# Altium PCB FMC_SINGLE_LPC_BREAKOUT_REVB.PcbDoc (part 1 of 2) (continued)
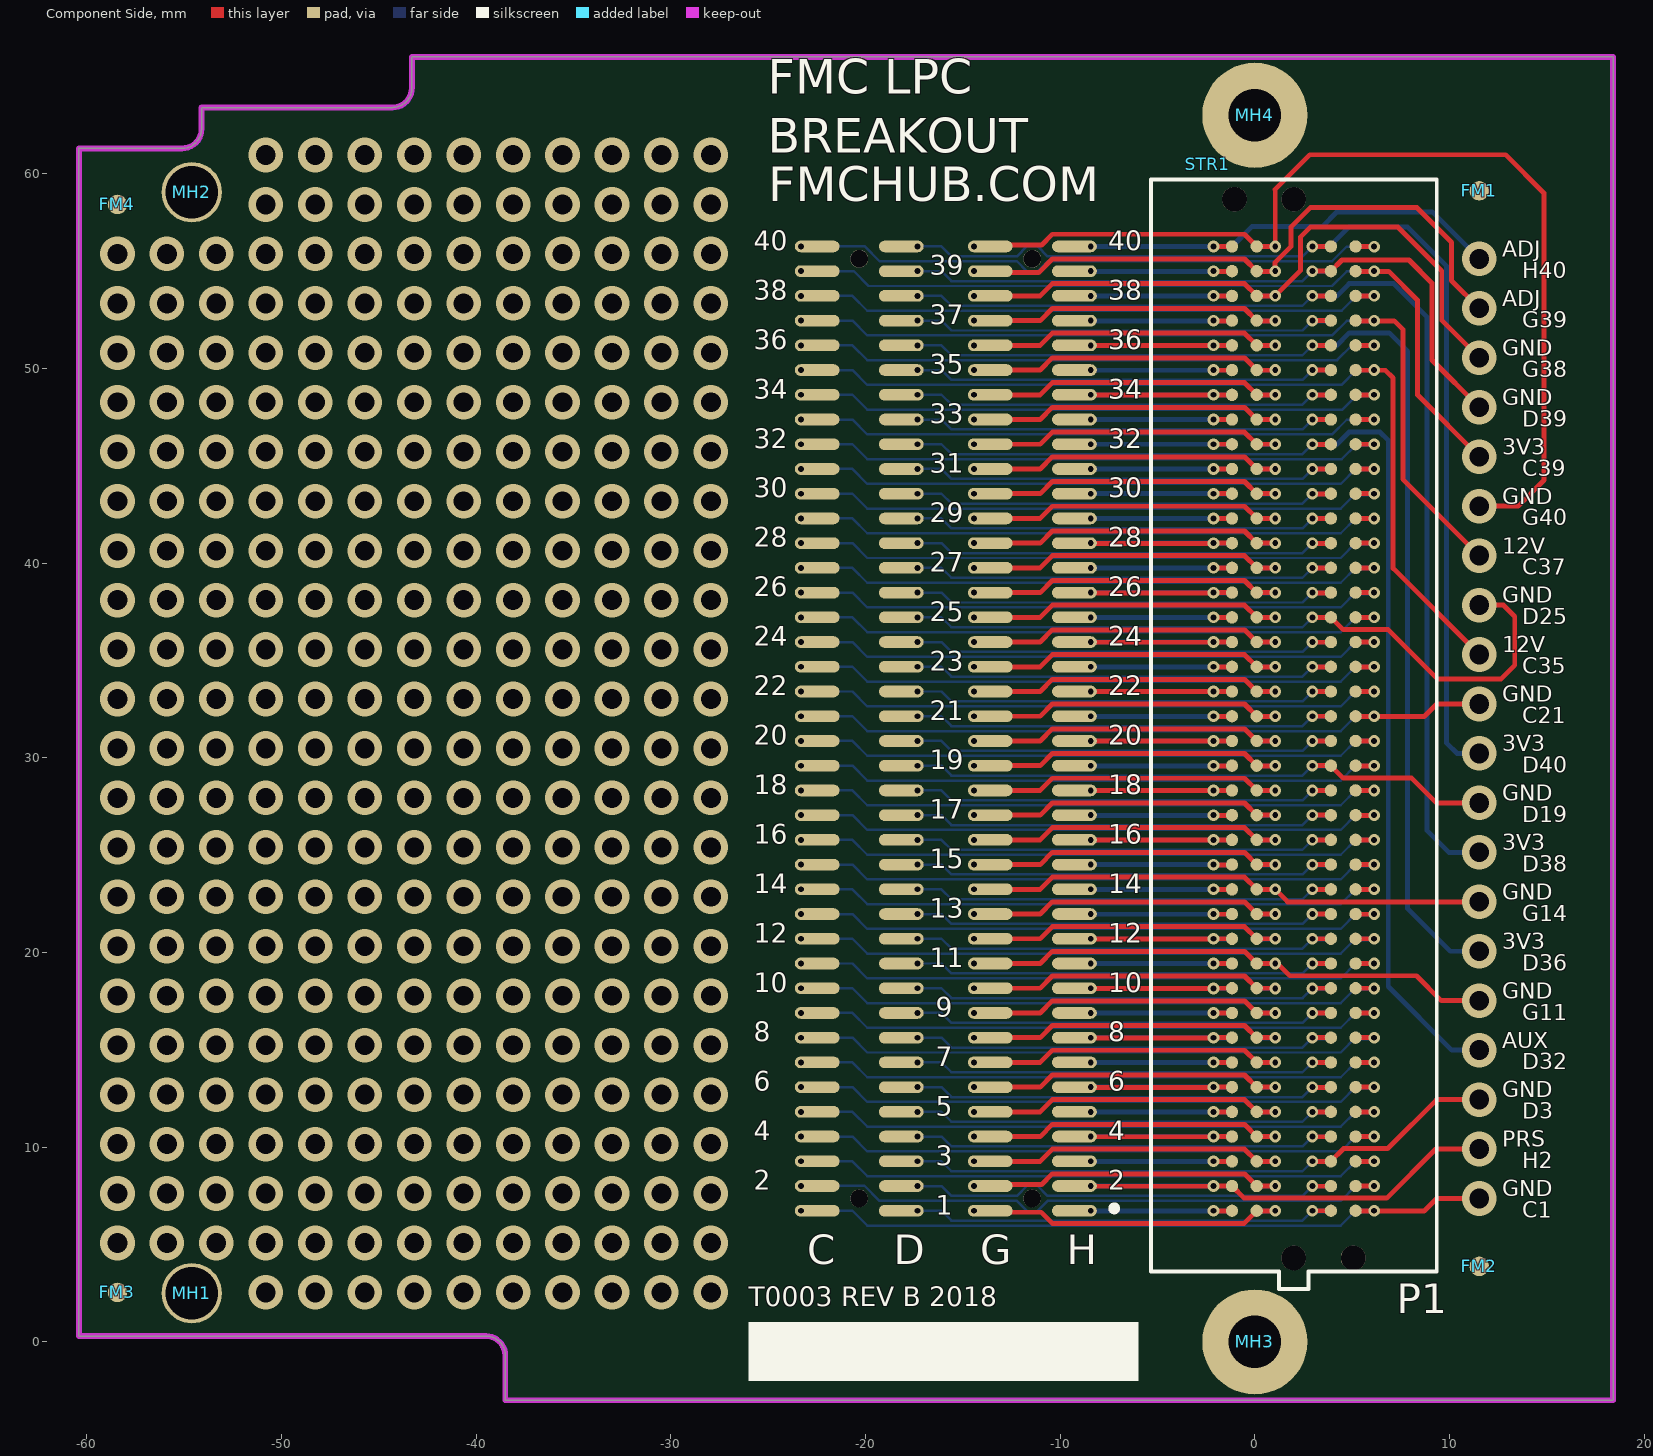
[diagram p0: Component Side view]
## Footprints (in the part's own frame and the unit in brackets; to place one, negate y for a bottom-side part, rotate by r counter-clockwise, add the part's x,y. Pads: shape width x height; smd on the part's side, far side on the other; paste and mask are expansions set on the pad) (continued)
"IAM LOGO - MEDIUM" [mm] "IAM ELECTRONIC LOGO - 14.00mm x 6.75mm"
"Mounting_Hole_Plated_2.7mm - d3.1mm" [mm] "Mounting Hole, hole 2.7mm, diameter 3.1mm, Keepout R 3.2mm, plated"
  round 3.1 hole 2.7 mask+0: 0(0,0)
Mounting_Hole_Plated_2.7mm-COVERED [mm] "Mounting Hole, hole 2.7mm, diameter 5.4mm, Keepout R 2.9mm, plated, covered with solder mask"
  round 5.4 hole 2.7 mask+0.2: 0(0,0)

## Part data
FM1 FM2 FM3 FM4 FM5 FM6 FM7 FM8: library part Fiducial_Mark, "Fiducial mark, width 1mm, clearance 3mm", Clearance="3 mm", Width="1 mm"
MH1 MH2 MH3 MH4: library part Mounting_Hole_2.7mm, "Mounting hole, hole size 2.7mm", Hole radius="2.7 mm"
P1: "MC-LPC-10, FMC Low-pin count connector, lead free, 160 I/Os, male, 10 mm mated stack height", Digi-Key Part Number=SAM8732-ND, Manufacturer=Samtec, Manufacturer Ref=SEAM-40-03.5-S-10-2-A-K-TR-VITA57, PartName=ASP-134604-01, Gender=male, Mated Stack Height="10 mm", Number I/O=160, Part=ASP-134604-01, Pin Count=Low, Pitch="1.27 mm", Solder Type=Lead-Free, Vita PartNumber=MC-LPC-10
P2: "CC-LPC-10, FMC Low-pin count connector, lead free, 160 I/Os, female, 10 mm mated stack height", Digi-Key Part Number=SAM8729-ND, Manufacturer=Samtec, Manufacturer Ref=SEAF-40-06.5-10-A, PartName=ASP-134603-01, Gender=female, Mated Stack Height="10 mm", Number I/O=160, Part=ASP-134603-01, Pin Count=Low, Pitch="1.27 mm", Solder Type=Lead-Free, Vita PartNumber=CC-LPC-10
P3 P4: library part FTS-140-X-DV, "1.27 MM 80 PIN VERTICAL MALE HEADER", Digi-Key Part Number=HDR127MET80M-G-V-SM-ND, Manufacturer="Chip Quik Inc.", Manufacturer_NOSTOCK=Samtec, Part=HDR127MET80M-G-V-SM, Part_NOSTOCK=FTS-140-01-L-DV-A, Pitch="1.27 mm"
STR1: library part IAM_LOGO, "I A M E L E C T R O N I C - Logo", Manufacturer="IAM ELECTRONIC", Layer="Top Overlay", Part=Logo

## Via types
v1: diameter 1.778, hole 1.016, Component Side to Bottom Layer, 323 vias
v2: diameter 0.6, hole 0.3, Component Side to Bottom Layer, tented both sides, 160 vias

## Nets (pads, with @x,y where several pads share a name; then routed paths per layer and width w, separated by ;. In a path a pad name is that pad's centre, name@x,y a point inside that pad or via, vN(x,y) a via of type N, cw(c..) or ccw(c..) an arc to the next point about the centre after c; other vN are vias at no path point)
C1: P1.C1 P2.C1 P3.1 | length 36.6
  Component Side w0.254: P1.C1@5.185,6.725 6.105,6.725 8.695,6.725 9.335,7.365 v1(11.525,7.365)
  Bottom Layer w0.127: P3.1@-23.32,6.735 -20.67,6.735 -19.908,5.973 4.413,5.973 P2.C1@5.175,6.735
  Bottom Layer w0.254: P2.C1@5.195,6.725 v2@6.105,6.725
  other v2: 6.127,6.735
C2: P1.C2 P2.C2 P3.3 | length 31.4
  Component Side w0.254: P1.C2@5.175,8.005 v2@6.095,8.005
  Bottom Layer w0.127: P3.3@-23.32,8.005 -23.307,8.018 -20.052,8.018 -19.277,7.243 -12.219,7.243 -11.698,6.722 -11.162,6.722 -10.641,7.243 4.413,7.243 P2.C2@5.175,8.005
  Bottom Layer w0.254: P2.C2@5.185,7.995 v2@6.105,7.995
  other v2: 6.127,8.005
C3: P1.C3 P2.C3 P3.5 | length 30.9
  Component Side w0.254: P1.C3@5.185,9.265 v2@6.105,9.265
  Bottom Layer w0.127: P3.5@-23.32,9.275 -20.67,9.275 -19.908,8.513 -2.313,8.513 4.413,8.513 P2.C3@5.175,9.275
  Bottom Layer w0.254: P2.C3@5.24,9.265 v2@6.105,9.265
  other v2: 6.127,9.275
C4: P1.C4 P2.C4 P3.7 | length 31
  Component Side w0.254: P1.C4@5.175,10.545 v2@6.095,10.545
  Bottom Layer w0.127: P3.7@-23.32,10.545 -20.67,10.545 -19.908,9.783 2.767,9.783 4.413,9.783 P2.C4@5.175,10.545
  Bottom Layer w0.254: P2.C4@5.195,10.535 v2@6.105,10.535
  other v2: 6.127,10.545
C5: P1.C5 P2.C5 P3.9 | length 30.9
  Component Side w0.254: P1.C5@5.185,11.805 v2@6.105,11.805
  Bottom Layer w0.127: P3.9@-23.32,11.815 -20.67,11.815 -19.908,11.053 -5.938,11.053 0.403,11.053 2.767,11.053 4.413,11.053 P2.C5@5.175,11.815
  Bottom Layer w0.254: P2.C5@5.25,11.805 v2@6.105,11.805
  other v2: 6.127,11.815
C6: P1.C6 P2.C6 P3.11 | length 31
  Component Side w0.254: P1.C6@5.175,13.085 v2@6.095,13.085
  Bottom Layer w0.127: P3.11@-23.32,13.085 -20.67,13.085 -19.908,12.323 -5.938,12.323 -0.721,12.323 -0.115,12.323 1.2,12.323 3.695,12.323 4.413,12.323 P2.C6@5.175,13.085
  Bottom Layer w0.254: P2.C6@5.17,13.075 v2@6.105,13.075
  other v2: 6.127,13.085
C7: P1.C7 P2.C7 P3.13 | length 30.9
  Component Side w0.254: P1.C7@5.185,14.345 v2@6.105,14.345
  Bottom Layer w0.127: P3.13@-23.32,14.355 -20.67,14.355 -19.908,13.593 4.413,13.593 P2.C7@5.175,14.355
  Bottom Layer w0.254: P2.C7@5.215,14.345 v2@6.105,14.345
  other v2: 6.127,14.355
C8: P1.C8 P2.C8 P3.15 | length 30.9
  Component Side w0.254: P1.C8@5.175,15.625 v2@6.095,15.625
  Bottom Layer w0.127: P3.15@-23.32,15.625 -20.67,15.625 -19.908,14.863 -1.385,14.863 -0.803,14.863 -0.115,14.863 0.467,14.863 3.695,14.863 4.413,14.863 P2.C8@5.175,15.625
  Bottom Layer w0.254: P2.C8@5.215,15.615 v2@6.105,15.615
  other v2: 6.127,15.625
C9: P1.C9 P2.C9 P3.17 | length 31
  Component Side w0.254: P1.C9@5.185,16.885 v2@6.105,16.885
  Bottom Layer w0.127: P3.17@-23.32,16.895 -20.67,16.895 -19.908,16.133 -1.385,16.133 -0.764,16.133 -0.115,16.133 1.157,16.133 3.695,16.133 4.413,16.133 P2.C9@5.175,16.895
  Bottom Layer w0.254: P2.C9@5.18,16.885 v2@6.105,16.885
  other v2: 6.127,16.895
C10: P1.C10 P2.C10 P3.19 | length 30.9
  Component Side w0.254: P1.C10@5.175,18.165 v2@6.095,18.165
  Bottom Layer w0.127: P3.19@-23.32,18.165 -20.67,18.165 -19.908,17.403 -5.938,17.403 4.413,17.403 P2.C10@5.175,18.165
  Bottom Layer w0.254: P2.C10@5.25,18.155 v2@6.105,18.155
  other v2: 6.127,18.155
C11: P1.C11 P2.C11 P3.21 | length 31
  Component Side w0.254: P1.C11@5.185,19.425 v2@6.105,19.425
  Bottom Layer w0.127: P3.21@-23.32,19.435 -20.67,19.435 -19.908,18.673 -5.938,18.673 4.413,18.673 P2.C11@5.175,19.435
  Bottom Layer w0.254: P2.C11@5.175,19.435 v2@6.095,19.435
  other v2: 6.127,19.435
C12: P1.C12 P2.C12 P3.23 | length 31
  Component Side w0.254: P1.C12@5.175,20.705 v2@6.095,20.705
  Bottom Layer w0.127: P3.23@-23.32,20.705 -20.67,20.705 -19.908,19.943 4.413,19.943 P2.C12@5.175,20.705
  Bottom Layer w0.254: P2.C12@5.19,20.695 v2@6.105,20.695
  other v2: 6.127,20.705
C13: P1.C13 P2.C13 P3.25 | length 30.9
  Component Side w0.254: P1.C13@5.185,21.965 v2@6.105,21.965
  Bottom Layer w0.127: P3.25@-23.32,21.975 -20.67,21.975 -19.908,21.213 -5.938,21.213 4.413,21.213 P2.C13@5.175,21.975
  Bottom Layer w0.254: P2.C13@5.215,21.965 v2@6.105,21.965
  other v2: 6.127,21.975
C14: P1.C14 P2.C14 P3.27 | length 31
  Component Side w0.254: P1.C14@5.175,23.245 v2@6.095,23.245
  Bottom Layer w0.127: P3.27@-23.32,23.245 -20.67,23.245 -19.908,22.483 -1.385,22.483 -0.711,22.483 -0.115,22.483 1.21,22.483 3.695,22.483 4.413,22.483 P2.C14@5.175,23.245
  Bottom Layer w0.254: P2.C14@5.195,23.235 v2@6.105,23.235
  other v2: 6.127,23.245
C15: P1.C15 P2.C15 P3.29 | length 31
  Component Side w0.254: P1.C15@5.175,24.515 v2@6.095,24.515
  Bottom Layer w0.127: P3.29@-23.32,24.515 -20.67,24.515 -19.908,23.753 4.413,23.753 P2.C15@5.175,24.515
  Bottom Layer w0.254: P2.C15@5.175,24.505 v2@6.105,24.505
  other v2: 6.127,24.515
C16: P1.C16 P2.C16 P3.31 | length 31
  Component Side w0.254: P1.C16@5.175,25.785 v2@6.095,25.785
  Bottom Layer w0.127: P3.31@-23.32,25.785 -20.67,25.785 -19.908,25.023 -1.385,25.023 -0.711,25.023 -0.115,25.023 0.323,25.023 4.413,25.023 P2.C16@5.175,25.785
  Bottom Layer w0.254: P2.C16@5.17,25.775 v2@6.105,25.775
  other v2: 6.127,25.785
C17: P1.C17 P2.C17 P3.33 | length 31
  Component Side w0.254: P1.C17@5.185,27.045 v2@6.105,27.045
  Bottom Layer w0.127: P3.33@-23.32,27.055 -20.67,27.055 -19.908,26.293 2.767,26.293 4.413,26.293 P2.C17@5.175,27.055
  Bottom Layer w0.254: P2.C17@5.14,27.045 v2@6.105,27.045
  other v2: 6.127,27.055
C18: P1.C18 P2.C18 P3.35 | length 31
  Component Side w0.254: P1.C18@5.175,28.325 v2@6.095,28.325
  Bottom Layer w0.127: P3.35@-23.32,28.325 -20.67,28.325 -19.908,27.563 -5.938,27.563 -0.667,27.563 -0.115,27.563 0.738,27.563 3.695,27.563 4.413,27.563 P2.C18@5.175,28.325
  Bottom Layer w0.254: P2.C18@5.19,28.315 v2@6.105,28.315
  other v2: 6.127,28.325
C19: P1.C19 P2.C19 P3.37 | length 31
  Component Side w0.254: P1.C19@5.185,29.585 v2@6.105,29.585
  Bottom Layer w0.127: P3.37@-23.32,29.595 -20.67,29.595 -19.908,28.833 -5.938,28.833 -0.848,28.833 -0.115,28.833 0.323,28.833 2.767,28.833 4.413,28.833 P2.C19@5.175,29.595
  Bottom Layer w0.254: P2.C19@5.18,29.585 v2@6.105,29.585
  other v2: 6.127,29.595
C20: P1.C20 P2.C20 P3.39 | length 31
  Component Side w0.254: P1.C20@5.175,30.865 v2@6.095,30.865
  Bottom Layer w0.127: P3.39@-23.32,30.865 -20.67,30.865 -19.908,30.103 -1.385,30.103 4.413,30.103 P2.C20@5.175,30.865
  Bottom Layer w0.254: P2.C20@5.125,30.855 v2@6.105,30.855
  other v2: 6.127,30.865
C21: P1.C21 P2.C21 P3.41 | length 36.7
  Component Side w0.254: P1.C21@5.185,32.125 6.105,32.125 8.695,32.125 9.335,32.765 v1(11.525,32.765)
  Bottom Layer w0.127: P3.41@-23.32,32.135 -20.67,32.135 -19.908,31.373 -1.385,31.373 -0.803,31.373 -0.115,31.373 0.467,31.373 3.695,31.373 4.413,31.373 P2.C21@5.175,32.135
  Bottom Layer w0.254: P2.C21@5.145,32.125 v2@6.105,32.125
  other v2: 6.127,32.135
C22: P1.C22 P2.C22 P3.43 | length 31
  Component Side w0.254: P1.C22@5.175,33.405 v2@6.095,33.405
  Bottom Layer w0.127: P3.43@-23.32,33.405 -20.67,33.405 -19.908,32.643 -1.385,32.643 -0.803,32.643 -0.115,32.643 0.467,32.643 3.695,32.643 4.413,32.643 P2.C22@5.175,33.405
  Bottom Layer w0.254: P2.C22@5.165,33.395 v2@6.105,33.395
  other v2: 6.127,33.405
C23: P1.C23 P2.C23 P3.45 | length 31
  Component Side w0.254: P1.C23@5.185,34.665 v2@6.105,34.665
  Bottom Layer w0.127: P3.45@-23.32,34.675 -20.67,34.675 -19.908,33.913 -5.938,33.913 4.413,33.913 P2.C23@5.175,34.675
  Bottom Layer w0.254: P2.C23@5.165,34.665 v2@6.105,34.665
  other v2: 6.127,34.675
C24: P1.C24 P2.C24 P3.47 | length 31
  Component Side w0.254: P1.C24@5.175,35.945 v2@6.095,35.945
  Bottom Layer w0.127: P3.47@-23.32,35.945 -20.67,35.945 -19.908,35.183 4.413,35.183 P2.C24@5.175,35.945
  Bottom Layer w0.254: P2.C24@5.195,35.935 v2@6.105,35.935
  other v2: 6.127,35.945
C25: P1.C25 P2.C25 P3.49 | length 30.9
  Component Side w0.254: P1.C25@5.185,37.205 v2@6.105,37.205
  Bottom Layer w0.127: P3.49@-23.32,37.215 -20.67,37.215 -19.908,36.453 -5.938,36.453 4.413,36.453 P2.C25@5.175,37.215
  Bottom Layer w0.254: P2.C25@5.225,37.205 v2@6.105,37.205
  other v2: 6.127,37.215
C26: P1.C26 P2.C26 P3.51 | length 31
  Component Side w0.254: P1.C26@5.175,38.485 v2@6.095,38.485
  Bottom Layer w0.127: P3.51@-23.32,38.485 -20.67,38.485 -19.908,37.723 -5.938,37.723 1.21,37.723 2.767,37.723 4.413,37.723 P2.C26@5.175,38.485
  Bottom Layer w0.254: P2.C26@5.18,38.475 v2@6.105,38.475
  other v2: 6.127,38.485
C27: P1.C27 P2.C27 P3.53 | length 30.9
  Component Side w0.254: P1.C27@5.185,39.745 v2@6.105,39.745
  Bottom Layer w0.127: P3.53@-23.32,39.755 -20.67,39.755 -19.908,38.993 4.413,38.993 P2.C27@5.175,39.755
  Bottom Layer w0.254: P2.C27@5.21,39.745 v2@6.105,39.745
  other v2: 6.127,39.755
C28: P1.C28 P2.C28 P3.55 | length 31
  Component Side w0.254: P1.C28@5.175,41.025 v2@6.095,41.025
  Bottom Layer w0.127: P3.55@-23.32,41.025 -20.67,41.025 -19.908,40.263 -1.385,40.263 -0.784,40.263 -0.115,40.263 0.486,40.263 3.695,40.263 4.413,40.263 P2.C28@5.175,41.025
  Bottom Layer w0.254: P2.C28@5.185,41.015 v2@6.105,41.015
  other v2: 6.127,41.025
C29: P1.C29 P2.C29 P3.57 | length 30.9
  Component Side w0.254: P1.C29@5.185,42.285 v2@6.105,42.285
  Bottom Layer w0.127: P3.57@-23.32,42.295 -20.67,42.295 -19.908,41.533 -1.385,41.533 -0.711,41.533 -0.115,41.533 1.21,41.533 3.695,41.533 4.413,41.533 P2.C29@5.175,42.295
  Bottom Layer w0.254: P2.C29@5.22,42.285 v2@6.105,42.285
  other v2: 6.127,42.295
C30: P1.C30 P2.C30 P3.59 | length 31
  Component Side w0.254: P1.C30@5.175,43.565 v2@6.095,43.565
  Bottom Layer w0.127: P3.59@-23.32,43.565 -20.67,43.565 -19.908,42.803 4.413,42.803 P2.C30@5.175,43.565
  Bottom Layer w0.254: P2.C30@5.15,43.555 v2@6.105,43.555
  other v2: 6.127,43.565
C31: P1.C31 P2.C31 P3.61 | length 31
  Component Side w0.254: P1.C31@5.185,44.825 v2@6.105,44.825
  Bottom Layer w0.127: P3.61@-23.32,44.835 -20.67,44.835 -19.908,44.073 4.413,44.073 P2.C31@5.175,44.835
  Bottom Layer w0.254: P2.C31@5.17,44.825 v2@6.105,44.825
  other v2: 6.127,44.835
C32: P1.C32 P2.C32 P3.63 | length 31
  Component Side w0.254: P1.C32@5.175,46.105 v2@6.095,46.105
  Bottom Layer w0.127: P3.63@-23.32,46.105 -20.67,46.105 -19.908,45.343 4.463,45.343 P2.C32@5.215,46.095
  Bottom Layer w0.254: P2.C32@5.215,46.095 v2@6.105,46.095
  other v2: 6.127,46.105
C33: P1.C33 P2.C33 P3.65 | length 31
  Component Side w0.254: P1.C33@5.185,47.365 v2@6.105,47.365
  Bottom Layer w0.127: P3.65@-23.32,47.375 -20.67,47.375 -19.908,46.613 3.968,46.613 4.721,47.365 P2.C33@5.24,47.365
  Bottom Layer w0.254: P2.C33@5.24,47.365 v2@6.105,47.365
  other v2: 6.127,47.375
C34: P1.C34 P2.C34 P3.67 | length 31
  Component Side w0.254: P1.C34@5.175,48.645 v2@6.095,48.645
  Bottom Layer w0.127: P3.67@-23.32,48.645 -20.67,48.645 -19.908,47.883 4.493,47.883 P2.C34@5.245,48.635
  Bottom Layer w0.254: P2.C34@5.245,48.635 v2@6.105,48.635
  other v2: 6.127,48.645
C35: P1.C35 P2.C35 P3.69 | length 48.2
  Component Side w0.254: P1.C35@5.185,49.905 6.105,49.905 6.7,49.905 7.1,49.505 7.1,39.73 v1(11.525,35.305)
  Bottom Layer w0.127: P3.69@-23.32,49.915 -20.67,49.915 -19.908,49.153 4.448,49.153 P2.C35@5.2,49.905
  Bottom Layer w0.254: P2.C35@5.2,49.905 v2@6.105,49.905
  other v2: 6.127,49.915
C36: P1.C36 P2.C36 P3.71 | length 31
  Component Side w0.254: P1.C36@5.175,51.185 v2@6.095,51.185
  Bottom Layer w0.127: P3.71@-23.32,51.185 -20.67,51.185 -19.908,50.423 4.222,50.423 4.975,51.175 P2.C36@5.205,51.175
  Bottom Layer w0.254: P2.C36@5.205,51.175 v2@6.105,51.175
  other v2: 6.127,51.185
C37: P1.C37 P2.C37 P3.73 | length 45.9
  Component Side w0.254: P1.C37@5.185,52.445 6.105,52.445 7.16,52.445 7.6,52.005 7.6,44.31 v1(11.525,40.385)
  Bottom Layer w0.127: P3.73@-23.32,52.455 -20.67,52.455 -19.908,51.693 3.968,51.693 4.721,52.445 P2.C37@5.19,52.445
  Bottom Layer w0.254: P2.C37@5.19,52.445 v2@6.105,52.445
  other v2: 6.127,52.455
C38: P1.C38 P2.C38 P3.75 | length 31
  Component Side w0.254: P1.C38@5.175,53.725 v2@6.095,53.725
  Bottom Layer w0.127: P3.75@-23.32,53.725 -20.67,53.725 -19.908,52.963 4.458,52.963 P2.C38@5.21,53.715
  Bottom Layer w0.254: P2.C38@5.21,53.715 v2@6.105,53.715
  other v2: 6.127,53.725
C39: P1.C39 P2.C39 P3.77 | length 43.2
  Component Side w0.254: P1.C39@5.185,54.985 6.105,54.985 6.87,54.985 8.35,53.505 8.35,48.64 v1(11.525,45.465)
  Bottom Layer w0.127: P3.77@-23.32,54.995 -20.601,54.995 -19.839,54.233 3.968,54.233 4.721,54.985 P2.C39@5.18,54.985
  Bottom Layer w0.254: P2.C39@5.18,54.985 v2@6.105,54.985
  other v2: 6.127,54.995
C40: P1.C40 P2.C40 P3.79 | length 31.4
  Component Side w0.254: P1.C40@5.175,56.265 v2@6.095,56.265
  Bottom Layer w0.127: P3.79@-23.32,56.265 -23.307,56.278 -20.052,56.278 -19.277,55.503 -12.219,55.503 -11.698,54.982 -11.162,54.982 -10.641,55.503 3.968,55.503 4.721,56.255 P2.C40@5.2,56.255
  Bottom Layer w0.254: P2.C40@5.2,56.255 v2@6.105,56.255
  other v2: 6.127,56.255
D1: P1.D1 P2.D1 P3.2 | length 22.5
  Component Side w0.254: v2@2.97,6.735 P1.D1@3.905,6.735
  Bottom Layer w0.127: P3.2@-17.32,6.735 -16.098,6.735 -15.59,6.227 2.444,6.227 v2(2.952,6.735)
  Bottom Layer w0.254: v2@2.96,6.725 P2.D1@3.87,6.725
D2: P1.D2 P2.D2 P3.4 | length 22.9
  Component Side w0.254: v2@2.96,7.995 P1.D2@3.895,7.995
  Bottom Layer w0.127: P3.4@-17.32,8.005 -16.098,8.005 -15.59,7.497 -12.219,7.497 -11.698,8.018 -11.162,8.018 -10.641,7.497 2.444,7.497 v2(2.952,8.005)
  Bottom Layer w0.254: v2@2.96,7.995 P2.D2@3.84,7.995
D3: P1.D3 P2.D3 P3.6 | length 31.6
  Component Side w0.254: v2@2.97,9.275 P1.D3@3.905,9.275 4.56,9.93 6.825,9.93 9.34,12.445 v1(11.525,12.445)
  Bottom Layer w0.127: P3.6@-17.32,9.275 -16.098,9.275 -15.59,8.767 -5.938,8.767 2.445,8.767 v2(2.952,9.275)
  Bottom Layer w0.254: v2@2.96,9.265 P2.D3@3.965,9.265
D4: P1.D4 P2.D4 P3.8 | length 22.5
  Component Side w0.254: v2@2.96,10.535 P1.D4@3.895,10.535
  Bottom Layer w0.127: P3.8@-17.32,10.545 -16.098,10.545 -15.59,10.037 2.444,10.037 v2(2.952,10.545)
  Bottom Layer w0.254: v2@2.96,10.535 P2.D4@3.83,10.535
D5: P1.D5 P2.D5 P3.10 | length 22.5
  Component Side w0.254: v2@2.97,11.815 P1.D5@3.905,11.815
  Bottom Layer w0.127: P3.10@-17.32,11.815 -16.098,11.815 -15.59,11.307 2.444,11.307 v2(2.952,11.815)
  Bottom Layer w0.254: v2@2.96,11.805 P2.D5@3.85,11.805
D6: P1.D6 P2.D6 P3.12 | length 22.5
  Component Side w0.254: v2@2.96,13.075 P1.D6@3.895,13.075
  Bottom Layer w0.127: P3.12@-17.32,13.085 -16.098,13.085 -15.59,12.577 2.444,12.577 v2(2.952,13.085)
  Bottom Layer w0.254: v2@2.96,13.075 P2.D6@3.805,13.075
D7: P1.D7 P2.D7 P3.14 | length 22.5
  Component Side w0.254: v2@2.96,14.345 P1.D7@3.895,14.345
  Bottom Layer w0.127: P3.14@-17.32,14.355 -16.098,14.355 -15.59,13.847 2.444,13.847 v2(2.952,14.355)
  Bottom Layer w0.254: v2@2.96,14.345 P2.D7@3.865,14.345
D8: P1.D8 P2.D8 P3.16 | length 22.5
  Component Side w0.254: v2@2.97,15.625 P1.D8@3.905,15.625
  Bottom Layer w0.127: P3.16@-17.32,15.625 -16.098,15.625 -15.59,15.117 2.444,15.117 v2(2.952,15.625)
  Bottom Layer w0.254: v2@2.96,15.615 P2.D8@3.81,15.615
D9: P1.D9 P2.D9 P3.18 | length 22.5
  Component Side w0.254: v2@2.96,16.885 P1.D9@3.895,16.885
  Bottom Layer w0.127: P3.18@-17.32,16.895 -16.098,16.895 -15.59,16.387 2.444,16.387 v2(2.952,16.895)
  Bottom Layer w0.254: v2@2.96,16.885 P2.D9@3.88,16.885
D10: P1.D10 P2.D10 P3.20 | length 22.5
  Component Side w0.254: v2@2.97,18.165 P1.D10@3.905,18.165
  Bottom Layer w0.127: P3.20@-17.32,18.165 -16.098,18.165 -15.59,17.657 -5.938,17.657 2.454,17.657 v2(2.952,18.155)
  Bottom Layer w0.254: v2@2.96,18.155 P2.D10@3.85,18.155
D11: P1.D11 P2.D11 P3.22 | length 22.5
  Component Side w0.254: v2@2.96,19.425 P1.D11@3.895,19.425
  Bottom Layer w0.127: P3.22@-17.32,19.435 -16.098,19.435 -15.59,18.927 -5.938,18.927 2.445,18.927 v2(2.952,19.435)
  Bottom Layer w0.254: v2@2.96,19.425 P2.D11@3.845,19.425
D12: P1.D12 P2.D12 P3.24 | length 22.5
  Component Side w0.254: v2@2.97,20.705 P1.D12@3.905,20.705
  Bottom Layer w0.127: P3.24@-17.32,20.705 -16.098,20.705 -15.59,20.197 2.444,20.197 v2(2.952,20.705)
  Bottom Layer w0.254: v2@2.96,20.695 P2.D12@3.81,20.695
D13: P1.D13 P2.D13 P3.26 | length 22.5
  Component Side w0.254: v2@2.97,21.975 P1.D13@3.905,21.975
  Bottom Layer w0.127: P3.26@-17.32,21.975 -16.098,21.975 -15.59,21.467 2.444,21.467 v2(2.952,21.975)
  Bottom Layer w0.254: v2@2.96,21.965 P2.D13@3.835,21.965
D14: P1.D14 P2.D14 P3.28 | length 22.5
  Component Side w0.254: v2@2.96,23.235 P1.D14@3.895,23.235
  Bottom Layer w0.127: P3.28@-17.32,23.245 -16.098,23.245 -15.59,22.737 2.444,22.737 v2(2.952,23.245)
  Bottom Layer w0.254: v2@2.96,23.235 P2.D14@3.88,23.235
D15: P1.D15 P2.D15 P3.30 | length 22.6
  Component Side w0.254: v2@2.97,24.515 P1.D15@3.905,24.515
  Bottom Layer w0.127: P3.30@-17.32,24.515 -16.098,24.515 -15.59,24.007 2.444,24.007 v2(2.952,24.515)
  Bottom Layer w0.254: v2@2.96,24.505 P2.D15@3.9,24.505
D16: P1.D16 P2.D16 P3.32 | length 22.5
  Component Side w0.254: v2@2.96,25.775 P1.D16@3.895,25.775
  Bottom Layer w0.127: P3.32@-17.32,25.785 -16.098,25.785 -15.59,25.277 2.444,25.277 v2(2.952,25.785)
  Bottom Layer w0.254: v2@2.96,25.775 P2.D16@3.87,25.775
D17: P1.D17 P2.D17 P3.34 | length 22.6
  Component Side w0.254: v2@2.97,27.055 P1.D17@3.905,27.055
  Bottom Layer w0.127: P3.34@-17.32,27.055 -16.098,27.055 -15.59,26.547 2.444,26.547 v2(2.952,27.055)
  Bottom Layer w0.254: v2@2.96,27.045 P2.D17@3.89,27.045
D18: P1.D18 P2.D18 P3.36 | length 22.6
  Component Side w0.254: v2@2.96,28.315 P1.D18@3.895,28.315
  Bottom Layer w0.127: P3.36@-17.32,28.325 -16.098,28.325 -15.59,27.817 2.444,27.817 v2(2.952,28.325)
  Bottom Layer w0.254: v2@2.96,28.315 P2.D18@3.885,28.315
D19: P1.D19 P2.D19 P3.38 | length 30.9
  Component Side w0.254: v2@2.97,29.595 P1.D19@3.905,29.595 4.545,28.955 8.05,28.955 9.32,27.685 v1(11.525,27.685)
  Bottom Layer w0.127: P3.38@-17.32,29.595 -16.098,29.595 -15.59,29.087 2.444,29.087 v2(2.952,29.595)
  Bottom Layer w0.254: v2@2.96,29.585 P2.D19@3.845,29.585
D20: P1.D20 P2.D20 P3.40 | length 22.5
  Component Side w0.254: v2@2.96,30.855 P1.D20@3.895,30.855
  Bottom Layer w0.127: P3.40@-17.32,30.865 -16.098,30.865 -15.59,30.357 -5.938,30.357 2.445,30.357 v2(2.952,30.865)
  Bottom Layer w0.254: v2@2.96,30.855 P2.D20@3.875,30.855
D21: P1.D21 P2.D21 P3.42 | length 22.6
  Component Side w0.254: v2@2.97,32.135 P1.D21@3.905,32.135
  Bottom Layer w0.127: P3.42@-17.32,32.135 -16.098,32.135 -15.59,31.627 2.444,31.627 v2(2.952,32.135)
  Bottom Layer w0.254: v2@2.96,32.125 P2.D21@3.93,32.125
D22: P1.D22 P2.D22 P3.44 | length 22.6
  Component Side w0.254: v2@2.96,33.395 P1.D22@3.895,33.395
  Bottom Layer w0.127: P3.44@-17.32,33.405 -16.098,33.405 -15.59,32.897 2.444,32.897 v2(2.952,33.405)
  Bottom Layer w0.254: v2@2.96,33.395 P2.D22@3.89,33.395
D23: P1.D23 P2.D23 P3.46 | length 22.5
  Component Side w0.254: v2@2.96,34.665 P1.D23@3.895,34.665
  Bottom Layer w0.127: P3.46@-17.32,34.675 -16.098,34.675 -15.59,34.167 2.444,34.167 v2(2.952,34.675)
  Bottom Layer w0.254: v2@2.96,34.665 P2.D23@3.835,34.665
D24: P1.D24 P2.D24 P3.48 | length 22.5
  Component Side w0.254: v2@2.96,35.935 P1.D24@3.895,35.935
  Bottom Layer w0.127: P3.48@-17.32,35.945 -16.098,35.945 -15.59,35.437 -5.938,35.437 2.445,35.437 v2(2.952,35.945)
  Bottom Layer w0.254: v2@2.96,35.935 P2.D24@3.845,35.935
D25: P1.D25 P2.D25 P3.50 | length 38.1
  Component Side w0.254: v2@2.97,37.215 P1.D25@3.905,37.215 4.54,36.58 6.85,36.58 9.375,34.055 12.65,34.055 13.35,34.755 13.35,37.255 12.76,37.845 v1(11.525,37.845)
  Bottom Layer w0.127: P3.50@-17.32,37.215 -16.098,37.215 -15.59,36.707 -5.938,36.707 2.445,36.707 v2(2.952,37.215)
  Bottom Layer w0.254: v2@2.96,37.205 P2.D25@3.8,37.205
D26: P1.D26 P2.D26 P3.52 | length 22.5
  Component Side w0.254: v2@2.96,38.475 P1.D26@3.895,38.475
  Bottom Layer w0.127: P3.52@-17.32,38.485 -16.098,38.485 -15.59,37.977 2.444,37.977 v2(2.952,38.485)
  Bottom Layer w0.254: v2@2.96,38.475 P2.D26@3.87,38.475
D27: P1.D27 P2.D27 P3.54 | length 22.6
  Component Side w0.254: v2@2.97,39.755 P1.D27@3.905,39.755
  Bottom Layer w0.127: P3.54@-17.32,39.755 -16.098,39.755 -15.59,39.247 2.444,39.247 v2(2.952,39.755)
  Bottom Layer w0.254: v2@2.96,39.745 P2.D27@3.915,39.745
D28: P1.D28 P2.D28 P3.56 | length 22.6
  Component Side w0.254: v2@2.96,41.015 P1.D28@3.895,41.015
  Bottom Layer w0.127: P3.56@-17.32,41.025 -16.098,41.025 -15.59,40.517 2.444,40.517 v2(2.952,41.025)
  Bottom Layer w0.254: v2@2.96,41.015 P2.D28@3.935,41.015
D29: P1.D29 P2.D29 P3.58 | length 22.5
  Component Side w0.254: v2@2.97,42.295 P1.D29@3.905,42.295
  Bottom Layer w0.127: P3.58@-17.32,42.295 -16.098,42.295 -15.59,41.787 2.444,41.787 v2(2.952,42.295)
  Bottom Layer w0.254: v2@2.96,42.285 P2.D29@3.83,42.285
D30: P1.D30 P2.D30 P3.60 | length 22.5
  Component Side w0.254: v2@2.96,43.555 P1.D30@3.895,43.555
  Bottom Layer w0.127: P3.60@-17.32,43.565 -16.098,43.565 -15.59,43.057 2.444,43.057 v2(2.952,43.565)
  Bottom Layer w0.254: v2@2.96,43.555 P2.D30@3.875,43.555
D31: P1.D31 P2.D31 P3.62 | length 22.6
  Component Side w0.254: v2@2.97,44.835 P1.D31@3.905,44.835
  Bottom Layer w0.127: P3.62@-17.32,44.835 -16.098,44.835 -15.59,44.327 2.444,44.327 v2(2.952,44.835)
  Bottom Layer w0.254: v2@2.96,44.825 P2.D31@3.905,44.825
D32: P1.D32 P2.D32 P3.64 | length 60
  Component Side w0.254: v2@2.96,46.095 P1.D32@3.895,46.095
  Bottom Layer w0.127: P3.64@-17.32,46.105 -16.098,46.105 -15.59,45.597 2.444,45.597 v2(2.952,46.105)
  Bottom Layer w0.254: v2@2.96,46.095 4.2,46.095 4.835,46.73 6.425,46.73 6.85,46.305 6.85,18.255 10.12,14.985 v1(11.525,14.985)
D33: P1.D33 P2.D33 P3.66 | length 22.5
  Component Side w0.254: v2@2.97,47.375 P1.D33@3.905,47.375
  Bottom Layer w0.127: P3.66@-17.32,47.375 -16.098,47.375 -15.59,46.867 2.444,46.867 v2(2.952,47.375)
  Bottom Layer w0.254: v2@2.96,47.365 P2.D33@3.835,47.365
D34: P1.D34 P2.D34 P3.68 | length 22.5
  Component Side w0.254: v2@2.96,48.635 P1.D34@3.895,48.635
  Bottom Layer w0.127: P3.68@-17.32,48.645 -16.098,48.645 -15.59,48.137 2.444,48.137 v2(2.952,48.645)
  Bottom Layer w0.254: v2@2.96,48.635 P2.D34@3.855,48.635
D35: P1.D35 P2.D35 P3.70 | length 22.6
  Component Side w0.254: v2@2.97,49.915 P1.D35@3.905,49.915
  Bottom Layer w0.127: P3.70@-17.32,49.915 -16.098,49.915 -15.59,49.407 2.444,49.407 v2(2.952,49.915)
  Bottom Layer w0.254: v2@2.96,49.905 P2.D35@3.975,49.905
D36: P1.D36 P2.D36 P3.72 | length 60.4
  Component Side w0.254: v2@2.96,51.175 P1.D36@3.895,51.175
  Bottom Layer w0.127: P3.72@-17.32,51.185 -16.098,51.185 -15.59,50.677 2.444,50.677 v2(2.952,51.185)
  Bottom Layer w0.254: v2@2.96,51.175 4.2,51.175 4.855,51.83 6.9,51.83 7.85,50.88 7.85,22.255 10.04,20.065 v1(11.525,20.065)
D37: P1.D37 P2.D37 P3.74 | length 22.5
  Component Side w0.254: v2@2.97,52.455 P1.D37@3.905,52.455
  Bottom Layer w0.127: P3.74@-17.32,52.455 -16.098,52.455 -15.59,51.947 2.444,51.947 v2(2.952,52.455)
  Bottom Layer w0.254: v2@2.96,52.445 P2.D37@3.835,52.445
D38: P1.D38 P2.D38 P3.76 | length 58
  Component Side w0.254: v2@2.96,53.715 P1.D38@3.895,53.715
  Bottom Layer w0.127: P3.76@-17.32,53.725 -16.098,53.725 -15.59,53.217 2.444,53.217 v2(2.952,53.725)
  Bottom Layer w0.254: v2@2.96,53.715 4.2,53.715 4.84,54.355 7.125,54.355 8.85,52.63 8.85,26.255 9.96,25.145 v1(11.525,25.145)
D39: P1.D39 P2.D39 P3.78 | length 35.9
  Component Side w0.254: v2@2.97,54.995 P1.D39@3.905,54.995 4.477,55.566 7.914,55.566 9.1,54.38 9.1,50.43 v1(11.525,48.005)
  Bottom Layer w0.127: P3.78@-17.32,54.995 -16.098,54.995 -15.59,54.487 2.444,54.487 v2(2.952,54.995)
  Bottom Layer w0.254: v2@2.96,54.985 P2.D39@3.92,54.985
D40: P1.D40 P2.D40 P3.80 | length 56.6
  Component Side w0.254: v2@2.96,56.255 P1.D40@3.895,56.255
  Bottom Layer w0.127: P3.80@-17.32,56.265 -16.098,56.265 -15.59,55.757 -12.219,55.757 -11.698,56.278 -11.162,56.278 -10.641,55.757 2.444,55.757 v2(2.952,56.265)
  Bottom Layer w0.254: v2@2.96,56.255 3.825,56.255 4.825,57.255 7.85,57.255 9.85,55.255 9.85,30.755 10.38,30.225 v1(11.525,30.225)
G1: P1.G1 P2.G1 P4.1 | length 17
  Component Side w0.254: P4.1@-14.43,6.735 -14.43,6.659 -10.974,6.659 -10.405,6.09 -0.55,6.09 P1.G1@0.095,6.735 ; P1.G1@0.105,6.725 v2@1.025,6.725
  Bottom Layer w0.254: P2.G1@0.08,6.725 v2@1.025,6.725
  other v2: 1.047,6.735
G2: P1.G2 P2.G2 P4.3 | length 16.9
  Component Side w0.254: P4.3@-14.43,8.005 -14.43,8.081 -10.954,8.081 -10.405,8.63 -0.53,8.63 P1.G2@0.095,8.005 v2@1.015,8.005
  Bottom Layer w0.254: P2.G2@0.135,7.995 v2@1.025,7.995
  other v2: 1.047,8.005
G3: P1.G3 P2.G3 P4.5 | length 17
  Component Side w0.254: P4.5@-14.43,9.275 -11.03,9.275 -10.405,9.9 -0.53,9.9 P1.G3@0.095,9.275 ; P1.G3@0.105,9.265 v2@1.025,9.265
  Bottom Layer w0.254: P2.G3@0.035,9.265 v2@1.025,9.265
  other v2: 1.047,9.275
G4: P1.G4 P2.G4 P4.7 | length 16.9
  Component Side w0.254: P4.7@-14.43,10.545 -11.03,10.545 -10.405,11.17 -0.53,11.17 P1.G4@0.095,10.545 v2@1.015,10.545
  Bottom Layer w0.254: P2.G4@0.13,10.535 v2@1.025,10.535
  other v2: 1.047,10.545
G5: P1.G5 P2.G5 P4.9 | length 16.9
  Component Side w0.254: P4.9@-14.43,11.815 -11.03,11.815 -10.405,12.44 -0.53,12.44 P1.G5@0.095,11.815 ; P1.G5@0.105,11.805 v2@1.025,11.805
  Bottom Layer w0.254: P2.G5@0.075,11.805 v2@1.025,11.805
  other v2: 1.047,11.815
G6: P1.G6 P2.G6 P4.11 | length 16.9
  Component Side w0.254: P4.11@-14.43,13.085 -11.03,13.085 -10.405,13.71 -0.53,13.71 P1.G6@0.095,13.085 v2@1.015,13.085
  Bottom Layer w0.254: P2.G6@0.12,13.075 v2@1.025,13.075
  other v2: 1.047,13.085